# KiCad board Tartarus Liquid Rocketry Control System.kicad_pcb (continued)
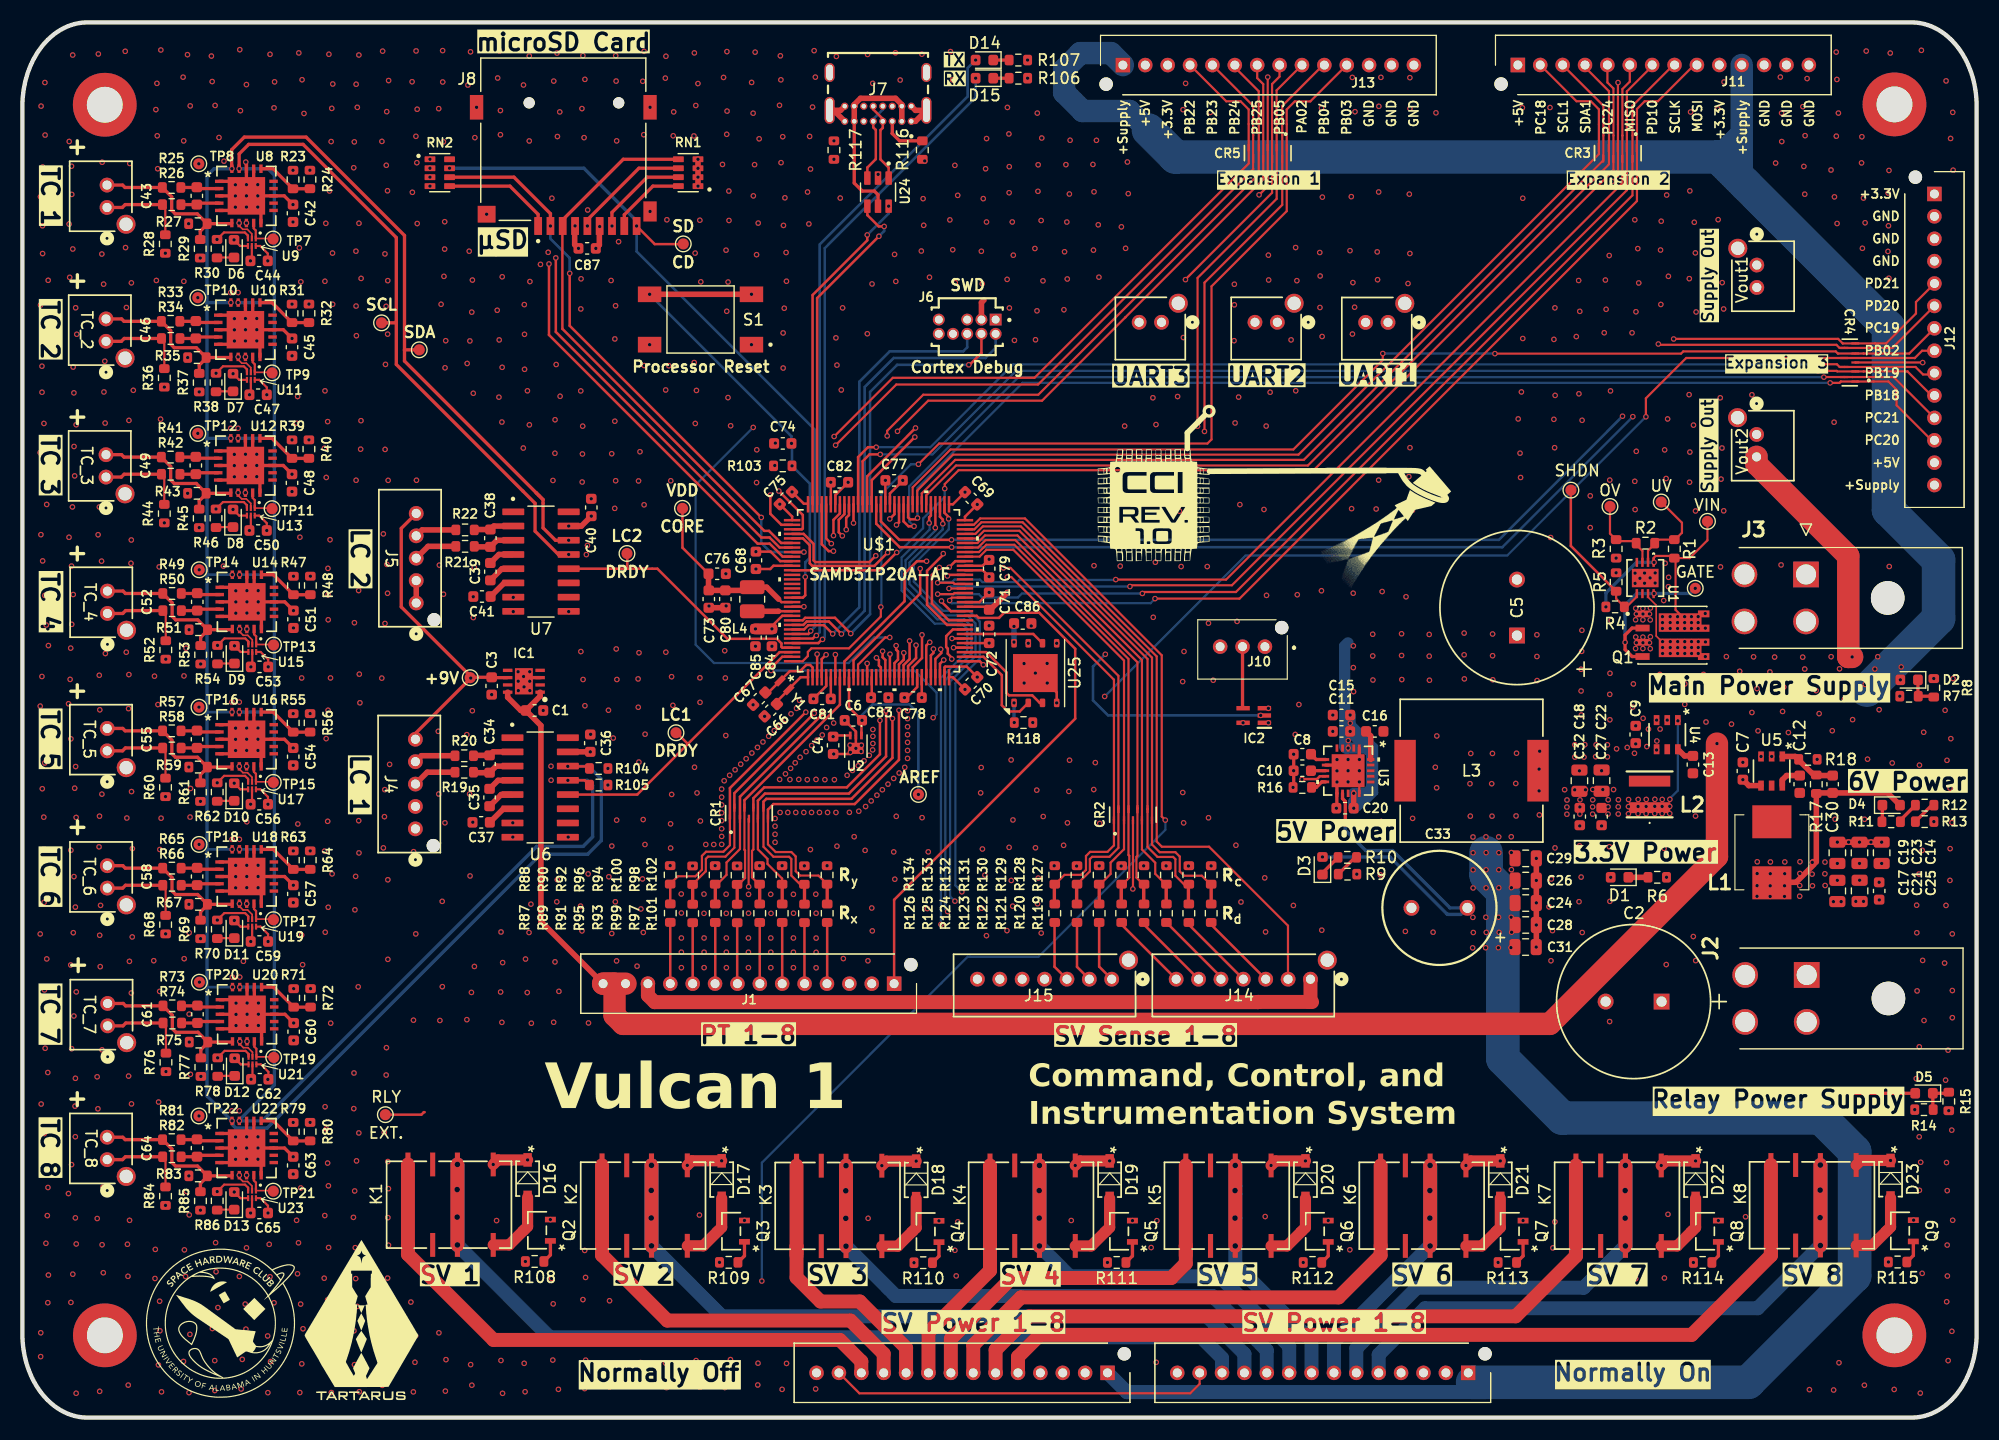
[diagram p0: board, top side]
## Routing (per net, layer and track width the routed paths; a pad name or vN(x,y) marks a point on that pad's centre or on a via; arc(x,y) is an arc through that point) (continued)
+6V: length 88.6
  Top w0.23: v1(72.44,60.82) 72.55,60.92 U2.3
  Top w0.5: 160.09,49.42 158.49,47.82 156.12,47.82 ; 159.99,49.41 159.99,49.66 ; 160.29,49.61 R17.1 160.34,55.79 C30.1 166.67,55.79 D4.2
  Top w1: v1(59.41,22.53) 59.82,22.94 v1(62.48,22.94) ; v1(76.79,22.5) 77.2,22.91 v1(79.86,22.91) ; v1(111.57,22.52) 111.98,22.93 v1(114.64,22.93) ; v1(146.43,22.52) 146.84,22.93 v1(149.5,22.93) ; v1(97.15,22.93) 94.48,22.93 v1(94.08,22.52) ; v1(128.98,22.52) 129.39,22.93 v1(132.05,22.93) ; v1(42.07,22.61) 42.48,23.02 v1(45.14,23.02) ; K8.1 164.26,22.97 v1(166.92,22.97)
  In2.Cu w0.23: v1(74.32,51.88) 74.32,49.39 81.41,42.3 81.41,33 83.58,30.83 83.58,23.63
  In3.Cu w0.23: v1(74.32,51.88) 73.3,52.9 73.3,57.03 71.97,58.35 71.97,60.35 v1(72.44,60.82)
  vias: v1(155.01,49.64) v1(155,48.59) v1(154.99,47.51) v1(154.99,46.56) v1(156.19,49.63) v1(156.18,48.58) v1(156.17,47.5) v1(156.16,46.55) v1(157.47,49.63) v1(157.46,48.58) v1(157.45,47.5) v1(157.45,46.55) v1(158.83,49.65) v1(158.82,48.6) v1(158.81,47.52) v1(158.8,46.57) v1(159.93,49.59) v1(159.92,48.54) v1(159.94,47.5) v1(161.06,49.62) v1(161.05,48.57) v1(161.08,47.53) v1(162.17,49.49) v1(162.16,47.99) v1(164.15,49.49) v1(164.16,47.99) v1(165.9,47.81) v1(166.13,49.49)
+9V: length 28.6
  Top w0.23: 43.33,66.12 IC1.6
  Top w0.3: J5.5 33.85,79.42 33.85,72.41 40.14,66.12 ; 40.14,66.12 v1(40.06,66.05) 35.12,61.1 J4.5 ; 40.14,66.12 41.93,66.12 41.97,66.09 43.29,66.09
GND: length 336.6
  Top w0.15: U17.3 20.17,57.07 ; U21.3 20.21,32.51 ; U11.3 20.06,93.65 ; 20.15,105.31 20.15,105.6 ; U19.3 20.18,44.81 ; U13.3 20.06,81.52 ; U23.3 20.17,20.56 ; U15.3 20.19,69.34
  Top w0.2: v1(17.3,81.15) 17.92,81.77 19.78,81.77 20.06,81.49 U13.3 ; v1(20.4,42.52) 20.53,42.65 U19.5 ; v1(17.43,68.97) 18.05,69.59 19.91,69.59 20.19,69.31 U15.3 ; v1(142.05,110.4) 142.56,110.91 142.56,119.23 v1(142.57,119.24) ; U15.5 20.54,67.18 v1(20.42,67.05) ; U9.5 20.5,103.44 v1(20.38,103.31) ; v1(110.5,109.21) 111.27,109.98 v1(111.27,119.73) ; U17.5 20.52,54.91 v1(20.39,54.78) ; v1(20.29,79.23) 20.41,79.36 U13.5 ; 20.15,105.31 20.15,105.57 19.87,105.85 18.01,105.85 v1(17.39,105.23) ; U19.3 20.18,44.78 19.9,45.06 18.04,45.06 v1(17.42,44.44) ; U11.5 20.41,91.48 v1(20.29,91.36) ; v1(17.3,93.27) 17.93,93.89 19.79,93.89 20.06,93.62 U11.3 ; v1(20.39,18.27) 20.52,18.4 U23.5 ; U21.3 20.21,32.48 19.93,32.76 18.07,32.76 v1(17.45,32.13) ; v1(99.22,47.22) 99.23,47.23 CR2.3 ; U17.3 20.17,57.04 19.89,57.32 18.03,57.32 v1(17.41,56.7) ; CR1.3 64.89,53.47 64.89,47.42 v1(64.89,47.42) ; U23.3 20.17,20.53 19.89,20.81 18.03,20.81 v1(17.41,20.19) ; v1(119.46,56.78) 119.45,56.77 U3.15 ; v1(20.43,30.22) 20.56,30.34 U21.5 ; CR4.3 169.78,94.24 v1(169.79,94.23)
  Top w0.23: v1(83.06,69.59) 83.07,69.58 U$1.38 ; U$1.90 72.64,82.39 v1(73.78,83.54) ; U$1.45 86.11,72.43 C71.2 ; v1(78.66,83.71) 78.39,83.44 78.39,83.42 77.51,82.54 U$1.78 ; 119.45,58.78 U3.21 ; v1(70.68,64.2) 71.82,65.34 U$1.5 ; v1(68.77,82.67) 69.82,81.63 70.14,81.63 U$1.96 ; v1(69.83,72.43) U$1.116 ; v1(73.47,62.27) 74.47,61.27 U2.2 v1(74.47,59.77) 73.97,59.27 v1(72.49,59.27) C4.2 ; U$1.53 85.81,75.68 v1(86.38,75.11) ; U$1.106 67.71,76.49 66.86,77.34 v1(65.54,77.34) ; v1(85.32,81.56) 84.22,80.46 U$1.64 ; v1(92.42,63.83) 92.42,64.76 v1(91.57,65.61) ; U$1.14 v1(75.48,67.36) ; U$1.25 79.95,65.25 79.01,64.31 v1(78.81,64.31) ; v1(85.32,66.13) 84.37,67.08 82.47,67.08 82.39,67 U$1.31
  Top w0.3: 19.58,36.53 20.08,36.03 ; U14.3 U14.21 ; U14.21 U14.18 ; U14.21 U14.13 23.44,72.86 v1(24.22,72.08) ; 19.56,73.36 20.06,72.86 ; 19.08,35.01 v1(19.09,35.02) ; 19.04,23.06 v1(19.05,23.07) ; U16.17 20.68,61.24 ; U14.1 18.76,74.16 ; U10.1 18.63,98.46 ; U16.10 21.33,59.29 ; 18.77,37.35 20.07,36.05 18.77,34.75 ; 20.68,24.69 20.03,24.04 21.33,22.74 ; U12.1 18.63,86.34 ; U16.3 U16.21 ; U16.21 U16.18 ; U16.21 U16.13 23.42,60.59 v1(24.2,59.81) ; U10.18 U10.21 ; U10.21 U10.13 23.31,97.16 v1(24.09,96.38) ; U10.21 U10.3 ; U22.21 U22.13 23.42,24.08 v1(24.2,23.3) ; U22.21 U22.18 ; U22.21 U22.3 ; U20.5 18.77,34.72 ; 19.55,48.83 20.05,48.33 ; 21.36,70.43 21.36,71.56 ; 20.67,109.73 20.02,109.08 21.32,107.78 ; U22.10 21.33,22.78 ; 18.73,25.41 20.03,24.11 18.73,22.81 ; 20.72,36.63 20.07,35.98 21.37,34.68 ; v1(24.09,84.26) 23.31,85.04 U12.13 U12.21 ; U20.3 U20.21 ; U20.21 U20.18 ; U20.21 U20.13 23.46,36.02 v1(24.24,35.24) ; 19.54,24.58 20.04,24.08 ; 20.58,85.65 19.93,85 21.23,83.7 ; 19.05,47.31 v1(19.06,47.32) ; U8.21 U8.18 20.02,112.08 v1(19.96,112.14) ; U8.21 U8.3 ; U8.21 U8.13 23.4,109.12 v1(24.18,108.34) ; 18.63,98.49 19.93,97.19 18.63,95.89 ; 18.72,107.85 20.02,109.15 18.72,110.45 ; U3.7 117.95,58.28 U3.21 ; U18.10 21.34,47.03 ; U22.5 18.73,22.78 ; Q9.2 v1(168.98,17.64) ; 18.74,47.06 20.04,48.36 18.74,49.66 ; U20.17 20.72,36.67 ; v1(117.46,56.77) 117.45,56.76 U3.11 117.45,55.75 117.45,54.47 v1(117.41,54.43) ; 21.33,59.25 20.03,60.55 20.68,61.2 ; 19.06,71.84 v1(19.07,71.85) ; 18.63,86.37 19.93,85.07 18.63,83.77 ; U16.1 18.73,61.89 ; U14.5 18.76,71.56 ; 21.23,95.82 19.93,97.12 20.58,97.77 ; v1(45.33,65.77) 45.33,66.09 IC1.3 ; 18.93,84.02 v1(18.94,84.03) ; 20.69,48.94 20.04,48.29 21.34,46.99 ; U18.3 U18.21 ; U18.21 U18.13 23.43,48.33 v1(24.21,47.55) ; U18.21 U18.18 ; 19.43,85.54 19.93,85.04 ; 18.73,61.92 20.03,60.62 18.73,59.32 ; U22.1 18.73,25.38 ; U16.5 18.73,59.29 ; 19.04,59.57 v1(19.05,59.58) ; U18.1 18.74,49.63 ; U14.17 20.71,73.51 ; U18.17 20.69,48.98 ; 19.52,109.62 20.02,109.12 ; U8.5 18.72,107.82 ; U12.3 U12.21 ; U12.21 U12.18 ; U20.1 18.77,37.32 ; U8.10 21.32,107.82 ; 19.54,61.09 20.04,60.59 ; U12.17 20.58,85.69 ; v1(113.59,59.25) 113.6,59.24 113.6,57.79 v1(113.59,57.78) 113.6,57.77 113.6,56.35 ; U10.5 18.63,95.86 ; 18.76,71.59 20.06,72.89 18.76,74.19 ; 19.44,97.66 19.94,97.16 ; U8.17 20.67,109.77 ; U3.1 119.45,58.78 ; 20.71,73.47 20.06,72.82 21.36,71.52 ; U20.10 21.37,34.72 ; U18.5 18.74,47.03 ; U12.5 18.63,83.74 ; U22.17 20.68,24.73 ; U12.10 21.23,83.74 ; 18.94,96.15 v1(18.94,96.15) ; U8.1 18.72,110.42 ; U10.17 20.58,97.81 ; 19.02,108.1 v1(19.03,108.11) ; U10.10 21.23,95.86
  Top w0.5: v1(153.73,56.97) 154.25,56.45 U5.4 ; v1(51.24,104.43) 51.55,104.74 51.55,106.4 J8.6 ; 85.92,99.82 85.69,99.59 J6.03 ; C71.2 86.48,72.15 88.01,73.69 v1(88.01,73.7) ; v1(61.35,72.49) 61.51,72.33 62.72,72.33 v1(62.88,72.5) ; J7.B1 73.11,116.76 72.13,116.76 72.5,116.76 J7.A12 ; J7.A1 79.8,115.78 J7.S3 79.8,116.76 J7.B12 ; v1(166.13,51.39) v1(165.17,51.39) v1(163.17,51.39) v1(162.17,51.39) ; J5.2 J5.1 ; v1(135.26,42.03) 135.27,42.04 v1(135.27,44) v1(135.27,45.98) v1(135.27,47.98) v1(135.27,49.95)
  In1.Cu w0.5: 85.74,99.94 85.69,99.89 J6.03 J6.05 84.42,99.88 84.43,99.89
  vias: v1(1.61,109.04) v1(1.62,99.36) v1(1.59,86.18) v1(1.59,63.54) v1(1.59,43.2) v1(1.67,117.13) v1(1.66,78.86) v1(1.68,28.01) v1(1.64,7.58) v1(1.63,5.45) v1(1.81,111.7) v1(1.8,106.45) v1(1.81,103.96) v1(1.75,93.9) v1(1.75,91.58) v1(1.81,76.51) v1(1.74,66.19) v1(1.78,56.17) v1(1.81,47.89) v1(1.92,96.27) v1(1.93,88.79) v1(1.91,53.63) v1(2.01,119.24) v1(2.03,114.55) v1(2,73.43) v1(2,58.47) v1(1.93,50.76) v1(1.94,46.01) v1(1.98,38.19) v1(1.96,25.37) v1(2.01,23.05) v1(2.06,84.05) v1(2.04,32.99) v1(2.1,15.57) v1(2.17,81.56) v1(2.13,70.79) v1(2.18,40.97) v1(2.18,35.45) v1(2.23,18.04) v1(2.31,101.58) v1(2.33,68.95) v1(2.29,60.62) v1(2.27,30.82) v1(2.29,20.55) v1(2.33,12.73) v1(2.27,10.26) v1(4.12,63.76) v1(4.12,20.01) v1(4.18,113.98) v1(4.17,106.6) v1(4.23,101.84) v1(4.17,78.63) v1(4.32,68.72) v1(4.27,65.93) v1(4.32,40.43) v1(4.39,111.76) v1(4.41,109.25) v1(4.39,76.05) v1(4.41,70.85) v1(4.33,60.62) v1(4.33,50.67) v1(4.4,32.94) v1(4.39,22.59) v1(4.33,10.29) v1(4.5,121.69) v1(4.5,104.37) v1(4.47,81.34) v1(4.5,12.81) v1(4.54,93.82) v1(4.6,91.52) v1(4.61,86.73) v1(4.55,73.51) v1(4.61,48.32) v1(4.55,43.31) v1(4.6,35.87) v1(4.67,84.11) v1(4.67,56.21) v1(4.7,27.82) v1(4.76,99.12) v1(4.81,88.68) v1(4.76,58.15) v1(4.8,53.6) v1(4.73,45.6) v1(4.81,38.02) v1(4.74,30.3) v1(4.73,25.08) v1(4.73,17.84) v1(4.81,15.51) v1(4.8,2.17) v1(4.86,96.76) v1(6.68,30.44) v1(6.69,17.78) v1(6.79,121.79) v1(6.77,78.85) v1(6.75,27.58) v1(6.88,81.33) v1(6.87,66.3) v1(6.92,63.21) v1(6.89,53.72) v1(6.85,50.98) v1(6.91,43.08) v1(6.9,2.35) v1(6.98,45.75) v1(6.96,40.28) v1(7.13,112.12) v1(7.1,103.92) v1(7.07,76.49) v1(7.1,55.68) v1(7.12,32.84) v1(7.12,15.44) v1(7.21,20.6) v1(7.26,101.23) v1(7.29,91.6) v1(7.23,12.94) v1(7.36,94.35) v1(7.39,88.83) v1(7.41,68.24) v1(9.19,122.03) v1(9.22,104.5) v1(9.3,99.15) v1(9.28,68.36) v1(9.33,53.55) v1(9.39,15.48) v1(9.52,89.06) v1(9.52,66.36) v1(9.49,63.32) v1(9.49,30.5) v1(9.43,12.62) v1(9.46,2.9) v1(9.59,112.01) v1(9.56,40.75) v1(9.57,17.62) v1(9.7,76.3) v1(9.74,101.35) v1(9.73,78.38) v1(9.75,55.91) v1(9.83,50.82) v1(9.82,42.93) v1(9.73,37.92) v1(9.75,28.02) v1(9.91,91.75) v1(11.8,66.22) v1(11.74,40.81) v1(11.93,116.82) v1(11.88,15.02) v1(11.85,12.43) v1(12.02,119.17) v1(11.97,101.56) v1(12.05,114.48) v1(12.09,111.54) v1(12.11,63.69) v1(12.23,75.98) v1(12.17,28.18) v1(12.16,4.71) v1(12.28,50.74) v1(12.26,38.07) v1(12.26,10.4) v1(12.28,7.75) v1(12.37,122.14) v1(12.35,89.17) v1(12.39,53.54) v1(12.43,2.3) v1(12.68,92.04) v1(12.68,79.91) v1(12.77,103.99) v1(12.81,67.73) v1(12.79,55.46) v1(12.8,43.2) v1(12.83,30.9) v1(12.79,18.95) v1(14.36,119.72) v1(14.41,114.03) v1(14.42,101.48) v1(14.4,5.02) v1(14.44,66.24) v1(14.46,40.99) v1(14.48,14.98) v1(14.62,68.72) v1(14.58,12.6) v1(14.67,20.19) v1(14.75,121.73) v1(14.9,43.31) v1(14.9,36.04) v1(14.91,18.1) v1(14.89,2.23) v1(15,117.16) v1(15.03,56.19) v1(14.98,53.64) v1(15.01,30.66) v1(15.01,9.98) v1(14.97,7.44) v1(15.8,91.61) v1(15.8,79.49) v1(15.89,103.57) v1(15.93,67.31) v1(15.91,55.04) v1(15.92,42.78) v1(15.91,18.53) v1(15.95,30.47) v1(16.89,121.6) v1(16.96,119.33) v1(16.98,7.95) v1(17.22,117.19) v1(17.19,5.09) v1(17.19,2.42) v1(17.26,15.63) v1(17.31,13.03) v1(17.47,9.83) v1(17.57,114.33) v1(18.01,112.22) v1(17.96,76.05) v1(18.62,100.48) v1(18.61,88.36) v1(18.72,63.91) v1(18.72,27.4) v1(18.73,51.65) v1(18.76,39.34) v1(18.94,98.15) v1(18.94,97.15) v1(18.94,86.03) v1(18.94,85.03) v1(19.03,110.11) v1(19.03,109.11) v1(19.07,73.85) v1(19.07,72.85) v1(19.05,61.58) v1(19.05,60.58) v1(19.06,49.32) v1(19.06,48.32) v1(19.09,37.02) v1(19.09,36.02) v1(19.05,25.07) v1(19.05,24.07) v1(19.28,100.48) v1(19.27,88.36) v1(19.42,122.17) v1(19.38,63.91) v1(19.39,51.65) v1(19.42,39.34) v1(19.38,27.4) v1(19.39,12.61) v1(19.49,116.72) v1(19.54,2.56) v1(19.65,5.2) v1(19.75,40.75) v1(19.93,86.04) v1(19.93,85.04) v1(19.93,84.04) v1(19.91,10.14) v1(20.02,119.06) v1(20.02,110.12) v1(20.02,109.12) v1(20.02,108.12) v1(19.93,98.16) v1(19.93,97.16) v1(19.93,96.16) v1(20.02,15.17) v1(19.97,7.9) v1(20.06,73.86) v1(20.06,72.86) v1(20.06,71.86) v1(20.04,61.59) v1(20.04,60.59) v1(20.04,59.59) v1(20.05,53.22) v1(20.05,49.33) v1(20.05,48.33) v1(20.05,47.33) v1(20.08,37.03) v1(20.08,36.03) v1(20.08,35.03) v1(20.04,25.08) v1(20.04,24.08) v1(20.04,23.08) v1(20.94,98.16) v1(20.94,97.16) v1(20.94,96.16) v1(20.94,86.04) v1(20.94,85.04) v1(20.94,84.04) v1(21.03,110.12) v1(21.03,109.12) v1(21.03,108.12) v1(21.07,73.86) v1(21.07,72.86) v1(21.07,71.86) v1(21.05,61.59) v1(21.05,60.59) v1(21.05,59.59) v1(21.06,49.33) v1(21.06,48.33) v1(21.06,47.33) v1(21.09,37.03) v1(21.09,36.03) v1(21.09,35.03) v1(21.05,25.08) v1(21.05,24.08) v1(21.05,23.08) v1(21.92,7.29) v1(21.93,2.23) v1(22.13,121.76) v1(22.05,15.48) v1(22.13,12.58) v1(22.17,5) v1(22.48,116.98) v1(22.48,10.26) v1(22.53,119.3) v1(24.5,88.81) v1(24.5,17.62) v1(24.59,91.2) v1(24.61,53.02) v1(24.58,12.85) v1(24.7,121.88) v1(24.67,15.61) v1(24.75,104.48) v1(24.79,78.63) v1(24.79,2.24) v1(24.88,101.44) v1(24.87,20.51) v1(24.86,10.14) v1(24.99,119.49) v1(24.96,66.06) v1(24.96,43.1) v1(24.96,4.8) v1(25.04,40.45) v1(25.07,7.94) v1(25.16,116.48) v1(25.6,99.45) v1(25.6,87.33) v1(25.69,111.41) v1(25.71,62.88) v1(25.72,50.62) v1(25.71,26.37) v1(25.73,75.15) v1(25.75,38.31) v1(27.03,101.49) v1(26.99,86.58) v1(27,50.59) v1(27.02,18.05) v1(26.97,12.45) v1(26.97,4.79) v1(27.11,106.66) v1(27.04,91.7) v1(27.06,43.35) v1(27.05,27.77) v1(27.15,83.97) v1(27.14,60.64) v1(27.15,25.78) v1(27.28,88.96) v1(27.3,75.85) v1(27.31,73.48) v1(27.33,71.25) v1(27.31,63.17) v1(27.28,53.26) v1(27.33,45.58) v1(27.27,22.73) v1(27.27,10.52) v1(27.39,121.77) v1(27.34,20.7) v1(27.36,15.19) v1(27.44,109.55) v1(27.49,78.41) v1(27.52,7.61) v1(27.59,113.97) v1(27.53,66.06) v1(27.55,35.23) v1(27.6,2.24) v1(27.64,116.93) v1(27.71,104.01) v1(27.72,99.44) v1(27.67,48.56) v1(27.73,119.11) v1(29.6,111.63) v1(29.63,30.78) v1(29.61,27.6) v1(29.58,17.88) v1(29.62,7.75) v1(29.66,113.94) v1(29.67,71) v1(29.71,45.35) v1(29.69,20.24) v1(29.67,4.73) v1(29.82,119.09) v1(29.8,104.18) v1(29.82,99.28) v1(29.82,83.72) v1(29.74,76.01) v1(29.78,48.34) v1(29.74,15.18) v1(29.78,12.41) v1(29.93,117.02) v1(29.84,96.63) v1(29.86,22.93) v1(29.91,9.93) v1(29.98,55.96) v1(30.01,38.47) v1(30.07,121.7) v1(30.07,106.67) v1(30.13,78.43) v1(30.04,73.87) v1(30.1,66.4) v1(30.05,53.31) v1(30.07,50.43) v1(30.06,25.42) v1(30.1,2.31) v1(30.22,86.49) v1(30.16,63.84) v1(30.27,101.74) v1(30.25,89.04) v1(32.12,113.98) v1(32.11,66.04) v1(32.19,122.04) v1(32.17,10.09) v1(32.15,2.88) v1(32.25,78.93) v1(32.25,50.88) v1(32.39,103.93) v1(32.41,86.47) v1(32.4,70.93) v1(32.38,56.09) v1(32.35,53.67) v1(32.33,25.46) v1(32.33,4.93) v1(32.52,111.85) v1(32.5,99.25) v1(32.44,94.06) v1(32.53,33.04) v1(32.5,30.6) v1(32.55,116.64) v1(32.62,109.58) v1(32.57,76.2) v1(32.63,73.62) v1(32.72,119.42) v1(32.65,101.55) v1(32.63,96.77) v1(32.68,83.71) v1(32.65,48.04) v1(32.66,40.93) v1(32.66,22.87) v1(32.7,20.45) v1(32.66,17.86) v1(32.71,15.4) v1(32.63,12.46) v1(32.63,7.76) v1(32.81,58.34) v1(34.71,10.32) v1(34.82,119.31) v1(34.84,109.43) v1(34.96,50.55) v1(34.94,35.5) v1(34.93,2.3) v1(35.07,4.94) v1(35.18,122.06) v1(35.16,114.44) v1(35.21,83.72) v1(35.15,43.2) v1(35.14,7.3) v1(35.27,116.85) v1(35.24,112.08) v1(35.28,106.65) v1(37.2,116.91) v1(37.16,61.29) v1(37.21,55.7) v1(37.21,7.57) v1(37.26,76.14) v1(37.3,35.47) v1(37.41,99.44) v1(37.51,46.11) v1(37.52,38.49) v1(37.55,122.09) v1(37.56,119.29) v1(37.62,113.95) v1(37.62,73.54) v1(37.73,104.36) v1(37.67,101.93) v1(37.73,106.81) v1(37.82,96.18) v1(37.76,93.76) v1(37.76,53.12) v1(37.79,2.37) v1(37.85,5.18) v1(39.71,61) v1(39.71,35.54) v1(39.81,119.01) v1(39.74,94.15) v1(39.92,104.18) v1(39.98,96.16) v1(39.96,55.7) v1(40,48.38) v1(40.04,121.98) v1(40.12,37.98) v1(40.05,4.73) v1(40.21,101.6) v1(40.15,98.73) v1(40.2,63.13) v1(40.16,2.89) v1(40.29,91.49) v1(40.29,73.31) v1(40.29,71.45) v1(40.25,53.18) v1(40.43,114.32) v1(40.38,75.93) v1(40.39,40.29) v1(40.58,117.03) v1(41.48,107.48) v1(41.93,64.57) v1(42.32,103.97) v1(42.43,98.9) v1(42.37,17.6) v1(42.47,119.64) v1(42.62,122.07) v1(42.6,96.25) v1(42.58,91.14) v1(42.71,116.74) v1(42.71,114.58) v1(42.73,38.01) v1(42.77,43.37) v1(42.76,5.1) v1(42.87,101.89) v1(42.87,93.8) v1(42.85,88.91) v1(42.91,40.64) v1(42.84,35.3) v1(42.9,2.17) v1(43.82,53.12) v1(43.82,51.85) v1(43.86,73.26) v1(43.86,71.99) v1(44.29,66.62) v1(44.3,65.77) v1(44.31,64.93) v1(44.77,119.02) v1(44.76,86.59) v1(44.78,66.19) v1(44.82,65.27) v1(44.85,99.41) v1(44.86,96.75) v1(44.87,93.63) v1(44.84,4.85) v1(44.92,2.31) v1(44.95,40.96) v1(45.12,91.71) v1(45.11,37.96) v1(45.29,121.61) v1(45.29,114.02) v1(45.3,88.67) v1(45.27,43.32) v1(45.35,101.46) v1(45.33,66.62) v1(45.34,64.93) v1(45.43,45.86) v1(45.48,35.22) v1(46.29,103) v1(46.54,63.16) v1(46.98,104.08) v1(47.18,17.69) v1(47.31,108.91) v1(47.23,58.18) v1(47.24,56.93) v1(47.29,12.43) v1(47.41,83.7) v1(47.43,10.16) v1(47.39,5.14) v1(47.48,119.37) v1(47.47,35.31) v1(47.59,89.12) v1(47.58,86.13) v1(47.59,40.7) v1(47.69,94.05) v1(47.77,121.87) v1(47.81,114.42) v1(47.8,48.04) v1(47.75,46.07) v1(47.89,2.52) v1(48.01,116.61) v1(47.94,38.07) v1(48.04,91.22) v1(48.81,71.99) v1(48.77,51.85) v1(49.92,101.71) v1(49.9,99.02) v1(49.89,91.7) v1(49.9,68.42) v1(49.87,45.68) v1(50,116.91) v1(50.02,83.56) v1(50,43.47) v1(50.08,121.64) v1(50.06,88.55) v1(50.04,86.06) v1(50.1,65.92) v1(50.08,10.54) v1(50.19,114.32) v1(50.26,119.52) v1(50.26,63.58) v1(50.24,14.93) v1(50.32,12.52) v1(50.24,2.59) v1(50.39,77.08) v1(50.33,5.13) v1(50.51,107.86) v1(50.49,77.9) v1(50.55,48.56) v1(50.58,35.25) v1(50.83,82.06) v1(50.77,61.03) v1(51.58,106.38) v1(52.37,63.18) v1(52.4,48.3) v1(52.46,10.44) v1(52.47,2.74) v1(52.6,101.56) v1(52.66,86.09) v1(52.67,51.05) v1(52.66,43.24) v1(52.79,60.69) v1(52.92,81.21) v1(53.01,121.64) v1(53,99.3) v1(52.94,96.34) v1(52.94,88.99) v1(53.01,83.67) v1(52.98,46.07) v1(53.05,119.37) v1(53.1,114.03) v1(53.06,68.65) v1(53.12,65.92) v1(53.1,53.36) v1(53.09,40.79) v1(53.07,4.71) v1(53.27,105.03) v1(54.92,40.32) v1(55.01,65.98) v1(55.03,63.44) v1(55.05,83.66) v1(55.09,68.31) v1(55.09,58.55) v1(55.18,86.27) v1(55.23,4.92) v1(55.27,45.43) v1(55.4,48.11) v1(55.43,2.83) v1(55.43,119.35) v1(55.52,114.58) v1(55.47,53.41) v1(55.48,43.33) v1(55.55,122.03) v1(55.56,93.96) v1(55.55,81.52) v1(55.63,51.18) v1(55.64,61.04) v1(56.08,117.03) v1(56.08,107.73) v1(56.04,95.83) v1(57.5,121.58) v1(57.45,119.63) v1(57.48,91.78) v1(57.49,68.36) v1(57.46,4.89) v1(57.59,106.98) v1(57.56,2.68) v1(57.77,93.94) v1(57.92,53.03) v1(57.92,50.87) v1(57.88,49.3) v1(57.93,83.67) v1(58.01,66.17) v1(58.01,55.66) v1(58.12,63.61) v1(58.19,116.62) v1(58.15,114.49) v1(58.87,46.77) v1(58.88,45.07) v1(58.88,42.84) v1(58.88,41.57) v1(58.88,40.19) v1(59.88,49.27) v1(60,114.47) v1(60.03,94.23) v1(60.04,121.89) v1(60.11,104) v1(60.12,88.79) v1(60.05,58.08) v1(60.17,117.19) v1(60.23,91.74) v1(60.2,5.09) v1(60.28,55.79) v1(60.36,119.15) v1(60.53,106.94) v1(60.49,18.09) v1(60.62,101.44) v1(60.54,66.07) v1(60.55,63.88) v1(60.58,53.29) v1(60.53,2.71) v1(60.9,46.76) v1(60.9,45.04) v1(60.91,42.84) v1(60.91,41.57) v1(60.91,40.19) v1(61.06,51.19) v1(61.77,51.19) v1(61.9,49.29) v1(62.48,56.14) v1(62.48,55.42) v1(62.48,54.73) v1(62.48,54.02) v1(62.48,53.32) v1(62.48,52.6) v1(62.48,51.91) v1(62.48,51.2) v1(62.55,111.92) v1(62.65,119.69) v1(62.7,56.88) v1(62.75,68.49) v1(62.81,66.06) v1(62.77,2.68) v1(62.87,104.27) v1(62.86,75.37) v1(62.85,60.92) v1(62.88,46.75) v1(62.89,45.04) v1(62.9,42.84) v1(62.9,41.57) v1(62.9,40.19) v1(62.95,122) v1(62.96,116.69) v1(62.93,114.61) v1(62.94,98.81) v1(63.12,109.55) v1(63.05,101.42) v1(63.05,91.1) v1(63.14,106.92) v1(63.19,57.37) v1(63.28,88.59) v1(63.27,5.18) v1(63.68,57.86) v1(63.86,49.27) v1(64.18,58.36) v1(64.52,17.61) v1(64.67,58.85) v1(64.88,46.74) v1(64.88,45.05) v1(64.87,42.84) v1(64.87,41.57) v1(64.87,40.19) v1(65.16,119.25) v1(65.14,95.83) v1(65.18,59.36) v1(65.29,116.5) v1(65.31,109.12) v1(65.29,63.67) v1(65.42,111.91) v1(65.47,121.95) v1(65.5,68.89) v1(65.6,103.87) v1(65.62,86.44) v1(65.6,83.51) v1(65.68,59.86) v1(65.73,4.86) v1(65.71,2.92) v1(65.83,114.21) v1(65.75,106.68) v1(65.87,49.29) v1(66.17,60.35) v1(66.32,62.64) v1(66.68,60.85) v1(66.86,46.74) v1(66.89,45.04) v1(66.87,42.84) v1(66.87,41.57) v1(66.87,40.19) v1(66.97,68.89) v1(67.18,61.36) v1(67.28,87.04) v1(67.25,53.51) v1(67.25,52.82) v1(67.25,52.1) v1(67.25,51.39) v1(67.73,121.63) v1(67.65,117.21) v1(67.67,61.84) v1(67.66,57) v1(67.7,54.05) v1(67.77,119.48) v1(67.79,112.08) v1(67.88,49.29) v1(67.88,2.52) v1(67.94,114.4) v1(68,106.48) v1(67.97,96.87) v1(67.97,93.74) v1(68.08,99.08) v1(68.13,108.94) v1(68.18,62.35) v1(68.18,57.5) v1(68.24,104.06) v1(68.27,101.49) v1(68.28,4.84) v1(68.39,54.05) v1(68.58,56.99) v1(68.68,62.86) v1(68.64,57.99) v1(68.89,46.74) v1(68.9,45.05) v1(68.89,42.84) v1(68.89,41.57) v1(68.89,40.19) v1(69.05,58.49) v1(69.1,54.05) v1(69.17,63.34) v1(69.37,57) v1(69.44,64.06) v1(69.49,58.98) v1(69.82,54.05) v1(69.87,49.28) v1(70.02,59.48) v1(70.15,109.46) v1(70.13,56.98) v1(70.27,106.61) v1(70.34,114.43) v1(70.42,111.51) v1(70.41,50.73) v1(70.52,60.03) v1(70.51,54.05) v1(70.6,117.05) v1(70.74,122.08) v1(70.85,119.72) v1(70.91,57) v1(70.89,46.75) v1(70.92,45.05) v1(70.92,42.83) v1(70.92,41.56) v1(70.92,40.18) v1(70.88,2.56) v1(71,60.52) v1(71.22,54.05) v1(71.47,60.97) v1(71.7,56.98) v1(71.86,61.64) v1(71.9,49.29) v1(71.94,54.05) v1(72.51,112.38) v1(72.49,62.04) v1(72.55,56.98) v1(72.73,121.57) v1(72.69,96.44) v1(72.69,54.05) v1(72.78,94) v1(72.78,51.04) v1(73.01,13.02) v1(73.08,108.92) v1(73.17,91.78) v1(73.29,99.11) v1(73.35,41) v1(73.69,57.37) v1(73.89,54.06) v1(73.96,60.06) v1(73.98,59.42) v1(74.17,57.8) v1(74.68,58.22) v1(74.73,54.16) v1(74.96,60.05) v1(74.94,59.5) v1(75.2,58.66) v1(75.3,50.66) v1(75.34,54.58) v1(75.51,121.75) v1(75.5,96.8) v1(75.55,40.8) v1(75.56,17.8) v1(75.67,59.15) v1(75.92,101.25) v1(75.84,55.08) v1(75.89,45.51) v1(75.98,119.17) v1(75.99,61.46) v1(75.99,60.85) v1(75.99,60.21) v1(75.97,59.64) v1(75.94,43.47) v1(76.35,55.59) v1(76.46,111.04) v1(76.84,56.08) v1(77.38,64.31) v1(77.34,56.58) v1(77.93,103.89) v1(77.85,57.09) v1(77.85,50.52) v1(78.01,121.9) v1(77.95,48.09) v1(78.04,101.48) v1(78.08,53.7) v1(78.34,57.57) v1(78.43,119.46) v1(78.84,58.08) v1(79.09,63.14) v1(79.09,62.43) v1(79.09,61.71) v1(79.09,61) v1(79.09,60.31) v1(79.09,59.59) v1(79.09,58.88) v1(80.32,104.19) v1(80.37,121.77) v1(80.39,53.58) v1(80.48,108.87) v1(80.62,112.24) v1(80.53,106.49) v1(80.85,45.46) v1(80.94,50.53) v1(81.05,101.85) v1(81.9,17.58) v1(82.93,122) v1(82.87,106.97) v1(83.12,119.48) v1(83.13,104.31) v1(83.32,111.84) v1(83.32,14.94) v1(83.36,101.36) v1(83.44,12.66) v1(83.57,109.16) v1(83.58,17.49) v1(85.62,55.8) v1(85.68,104.17) v1(85.67,58.06) v1(85.71,45.5) v1(85.76,101.27) v1(85.78,50.79) v1(85.85,108.87) v1(86,48.45) v1(86.06,111.54) v1(86.15,114.24) v1(86.14,106.78) v1(86.14,43.04) v1(86.38,70.73) v1(88.01,117.02) v1(87.99,101.66) v1(87.97,43.5) v1(88.14,114.65) v1(88.18,111.73) v1(88.17,109.4) v1(88.19,99.11) v1(88.16,50.93) v1(88.34,58.74) v1(88.36,47.98) v1(88.45,106.79) v1(88.51,53.38) v1(88.48,45.68) v1(88.54,103.82) v1(88.64,96.21) v1(89.5,67.35) v1(89.51,65.61) v1(89.82,121.25) v1(89.82,119.63) v1(90.14,70.71) v1(90.47,104.42) v1(90.52,96.27) v1(90.51,66.5) v1(90.52,50.89) v1(90.68,116.51) v1(90.65,98.85) v1(90.63,56.04) v1(90.7,45.89) v1(90.76,111.89) v1(90.74,109.52) v1(90.76,48.19) v1(91.03,106.92) v1(91.08,114.28) v1(91.03,43.27) v1(91.19,101.53) v1(91.21,53.69) v1(91.56,67.36) v1(92.2,49.29) v1(93.12,104.13) v1(93.06,98.95) v1(93.03,51.11) v1(93.24,111.91) v1(93.32,106.78) v1(93.36,101.69) v1(93.37,53.12) v1(93.5,55.93) v1(93.61,114.08) v1(93.55,109.28) v1(93.56,58.71) v1(93.72,17.6) v1(94.2,49.26) v1(95.65,111.92) v1(95.7,104.27) v1(95.72,56.1) v1(95.75,109.48) v1(95.75,76.09) v1(95.87,58.5) v1(95.97,114.08) v1(96.13,106.53) v1(96.19,101.86) v1(96.22,49.28) v1(96.26,53.07) v1(98.09,76.05) v1(98.2,106.35) v1(98.18,49.26) v1(98.49,88.56) v1(98.57,104.43) v1(98.73,112.14) v1(98.81,109.32) v1(99.18,17.6) v1(100.19,49.28) v1(100.86,15.19) v1(101.01,91.08) v1(101.04,71.48) v1(101.29,88.69) v1(101.23,76.39) v1(101.31,4.94) v1(101.37,17.59) v1(102.2,49.28) v1(103.22,91.2) v1(103.39,80.95) v1(103.53,76.01) v1(103.71,116.81) v1(103.67,65.74) v1(103.68,55.83) v1(103.73,96.47) v1(103.79,68.42) v1(103.76,53.12) v1(103.93,119.16) v1(104.19,49.27) v1(105.87,76.01) v1(105.98,70.95) v1(105.98,53.58) v1(106.14,116.57) v1(106.22,49.28) v1(106.4,65.86) v1(108.29,101.22) v1(108.29,99.39) v1(108.26,96.18) v1(108.35,88.84) v1(108.43,51.12) v1(108.53,71.11) v1(108.67,91.14) v1(108.78,81.55) v1(108.88,46.05) v1(110.93,81.11) v1(111,48.21) v1(111.08,43.38) v1(111.05,17.96) v1(111.13,88.56) v1(111.16,73.44) v1(111.33,103.82) v1(111.35,101.6) v1(111.33,63.35) v1(111.49,91.58) v1(113.36,96.25) v1(113.54,56.29) v1(113.56,45.74) v1(113.76,104.5) v1(113.77,91.71) v1(113.73,61.01) v1(113.87,101.54) v1(113.91,73.5) v1(114.06,63.69) v1(115.92,104.06) v1(115.95,101.96) v1(115.94,99.15) v1(116.07,116.96) v1(116.07,73.85) v1(116.1,43.53) v1(116.15,109) v1(116.13,96.55) v1(116.68,17.6) v1(117.09,62.75) v1(117.09,61.29) v1(117.46,58.77) v1(117.46,57.77) v1(118.45,58.78) v1(118.45,57.78) v1(118.45,56.78) v1(118.62,104.22) v1(118.61,14.99) v1(118.74,109.05) v1(118.77,81.18) v1(118.83,119.7) v1(118.88,101.37) v1(118.84,96.78) v1(118.91,73.63) v1(119.07,116.63) v1(119.03,99.17) v1(119.23,48.54) v1(119.46,58.78) v1(119.46,57.78) v1(120.96,81.15) v1(121.06,104.11) v1(121.08,101.63) v1(121.2,117.12) v1(121.18,109.46) v1(121.18,83.73) v1(121.33,48.48) v1(121.38,119.7) v1(121.4,53.25) v1(121.49,73.78) v1(123.63,73.31) v1(123.57,43.43) v1(123.81,101.29) v1(123.92,109.27) v1(123.89,84.04) v1(123.97,119.67) v1(123.98,116.92) v1(123.97,103.97) v1(123.98,86.63) v1(124.2,81.04) v1(124.22,53.52) v1(126.05,43.35) v1(126.3,116.53) v1(126.25,58.09) v1(126.38,60.88) v1(126.36,56.25) v1(133.65,89.2) v1(133.81,86.14) v1(133.86,83.96) v1(134.02,116.99) v1(133.94,91.61) v1(134.06,108.9) v1(134.06,96.38) v1(134.09,17.6) v1(136.4,45.61) v1(136.49,117.01) v1(136.55,78.6) v1(136.61,48.1) v1(136.58,40.81) v1(136.71,43.49) v1(136.75,15.16) v1(136.93,99.12) v1(136.84,96.3) v1(136.84,89.16) v1(136.91,86.63) v1(136.93,17.48) v1(136.95,91.3) v1(136.94,50.88) v1(138.71,60.1) v1(138.71,58.99) v1(138.84,96.55) v1(139.05,101.56) v1(139.08,91.44) v1(139.12,57.77) v1(139.09,46.08) v1(139.15,98.8) v1(139.15,52.84) v1(139.14,51.07) v1(139.27,48.27) v1(139.36,89.07) v1(139.37,43.33) v1(139.53,58.99) v1(139.6,60.1) v1(140.09,82.33) v1(140.09,79.49) v1(140.61,60.09) v1(140.57,59.03) v1(141.1,57.78) v1(141.1,52.84) v1(141.34,96.89) v1(141.44,101.6) v1(141.51,98.99) v1(141.62,60.09) v1(141.62,59.01) v1(141.78,103.79) v1(141.83,83.73) v1(141.8,50.99) v1(141.82,35.37) v1(141.9,91.7) v1(141.84,46.11) v1(141.95,71.18) v1(142.4,76.76) v1(142.4,75.45) v1(142.44,59.73) v1(143.39,59.85) v1(143.82,96.89) v1(144.07,106.98) v1(144.07,83.62) v1(144.1,81.1) v1(144.09,75.42) v1(144.09,74.51) v1(144.04,59.33) v1(144.17,98.77) v1(144.2,86.3) v1(144.15,60.17) v1(144.15,12.41) v1(144.33,104.41) v1(144.42,101.34) v1(144.53,74.96) v1(144.45,50.49) v1(144.94,75.43) v1(144.94,74.52) v1(145.14,59.93) v1(145.44,75) v1(145.89,75.44) v1(145.89,74.54) v1(146.02,59.63) v1(146.04,60.43) v1(146.43,106.86) v1(146.37,104.28) v1(146.4,99.42) v1(146.65,72.98) v1(146.69,50.84) v1(146.71,12.47) v1(146.74,86.43) v1(146.78,76.31) v1(146.92,109.19) v1(146.87,83.87) v1(146.9,48.26) v1(146.88,40.46) v1(147,89.19) v1(147.07,101.93) v1(147.09,75.05) v1(147.07,74.21) v1(147.03,18.16) v1(148.92,91.36) v1(148.99,109.56) v1(148.94,101.72) v1(148.99,86.23) v1(148.96,83.54) v1(149.05,116.61) v1(149.31,88.64) v1(149.3,42.97) v1(149.39,106.76) v1(149.48,104.02) v1(149.49,80.97) v1(149.5,53.72) v1(149.51,40.81) v1(149.55,98.75) v1(151.5,116.89) v1(151.52,106.99) v1(151.54,17.6) v1(151.71,91.08) v1(151.72,75.98) v1(151.77,83.82) v1(151.88,101.37) v1(151.86,86.6) v1(152.01,99.02) v1(152.01,80.99) v1(152.04,119.29) v1(153.97,17.94) v1(154.53,91.35) v1(156.65,112.05) v1(157.07,119.73) v1(157.18,116.51) v1(157.2,113.97) v1(157.14,76.15) v1(159.08,117.08) 